# Altium PCB OTPCB.PcbDoc (part 1 of 3) (continued)
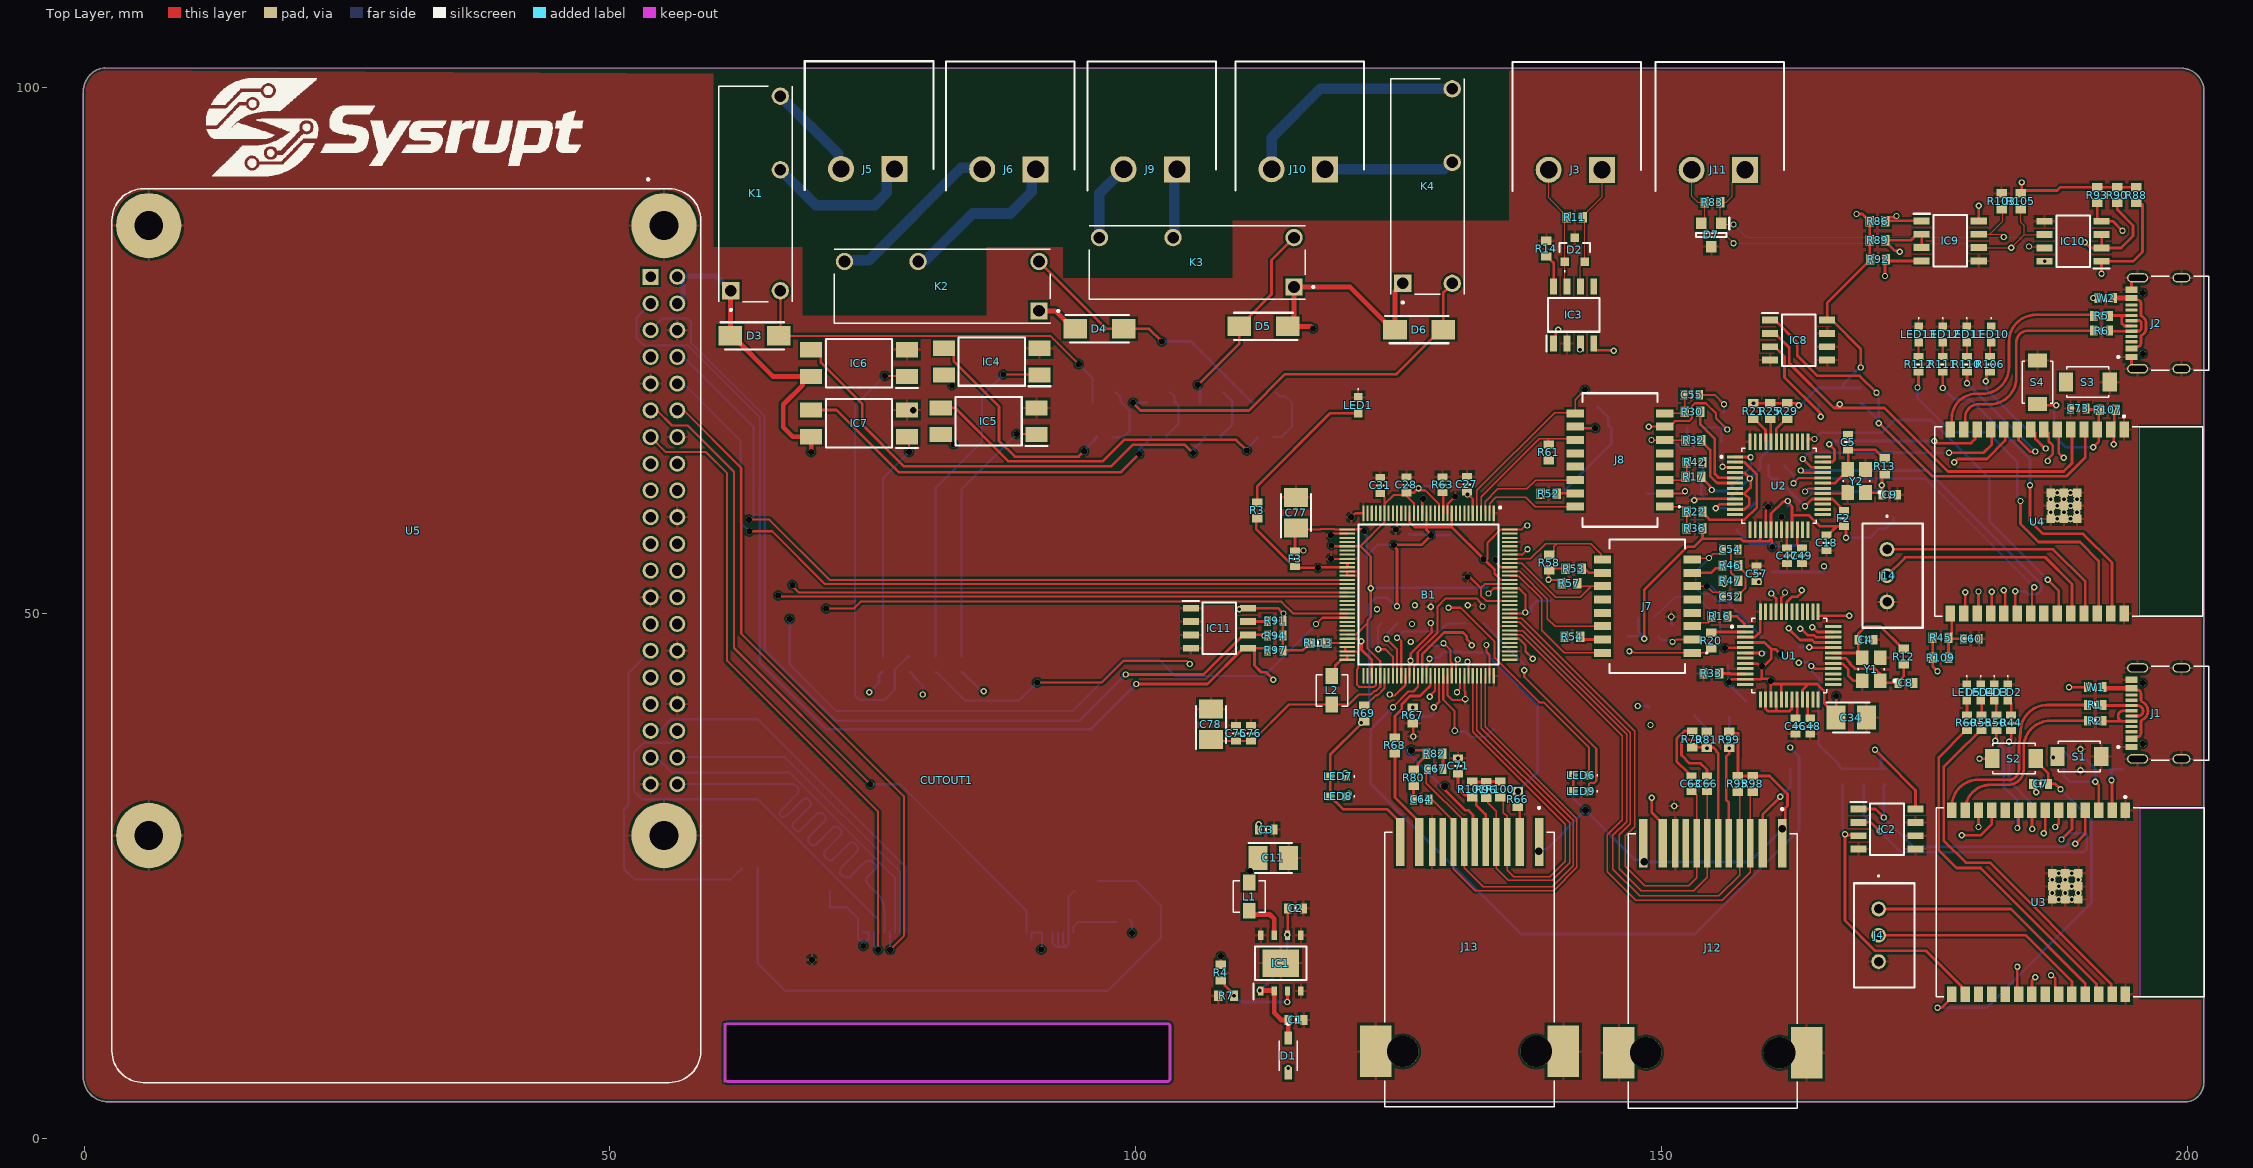
[diagram p0: Top Layer view]
## Components (designator, comment, footprint, x,y, rotation, side; value= is the part's Value field where it differs from the comment)
* "AFC07-S50ECA-00" AFC07-S50ECA-00 81.86,18.555 r180 bottom
B1 "RTL8367S-CG" QFP40P1600X1600X160-128N 127.866,51.766 r270 top
C1 "10uF" CAPC1608X90N 115.254,11.316 r180 top
C2 "4.7uF" CAPC1608X90N 115.214,21.916 r180 top
C3 "Capacitor .1µF +/-20% 10V 0603" CAPC1608X90N 112.414,29.416 r0 top value=".01 µF"
C4 "Capacitor 18pF +/-20% 10V 0603" CAPC1608X90N 169.466,47.466 r180 top value=18pF
C5 "Capacitor 18pF +/-20% 10V 0603" CAPC1608X90N 167.766,66.266 r270 top value=18pF
C6 "Capacitor .1µF +/-20% 10V 0603" CAPC1608X90N 189.026,36.966 r180 bottom value=.1µF
C7 "Capacitor .1µF +/-20% 10V 0603" CAPC1608X90N 186.066,33.766 r0 top value=.1µF
C8 "Capacitor 18pF +/-20% 10V 0603" CAPC1608X90N 173.266,43.366 r180 top value=18pF
C9 "Capacitor 18pF +/-20% 10V 0603" CAPC1608X90N 171.726,61.266 r180 top value=18pF
C10 "Capacitor .1µF +/-20% 10V 0603" CAPC1608X90N 194.666,35.166 r180 bottom value=".1 µF"
C11 "22uF, tantalum" CAPPM3528X210N 113.114,26.716 r0 top
C12 "22uF, tantalum" CAPPM3528X210N 170.666,59.066 r180 bottom
C13 "Capacitor .1µF +/-20% 10V 0603" CAPC1608X90N 158.141,40.891 r270 bottom value=".1 µF"
C14 "Capacitor .1µF +/-20% 10V 0603" CAPC1608X90N 161.366,46.841 r90 bottom value=".1 µF"
C15 "Capacitor .1µF +/-20% 10V 0603" CAPC1608X90N 167.391,42.116 r0 bottom value=".1 µF"
C16 "Capacitor .1µF +/-20% 10V 0603" CAPC1608X90N 160.591,55.841 r270 bottom value=".1 µF"
C17 "Capacitor .1µF +/-20% 10V 0603" CAPC1608X90N 159.241,55.891 r270 bottom value=".1 µF"
C18 "Capacitor .1µF +/-20% 10V 0603" CAPC1608X90N 165.716,56.691 r270 top value=".1 µF"
C19 "Capacitor .1µF +/-20% 10V 0603" CAPC1608X90N 159.436,66.296 r180 bottom value=".1 µF"
C20 "Capacitor .1µF +/-20% 10V 0603" CAPC1608X90N 162.516,55.691 r270 bottom value=".1 µF"
C21 "Capacitor .1µF +/-20% 10V 0603" CAPC1608X90N 164.516,56.341 r0 bottom value=".1 µF"
C22 "Capacitor .1µF +/-20% 10V 0603" CAPC1608X90N 156.466,57.941 r180 bottom value=".1 µF"
C23 "Capacitor .1µF +/-20% 10V 0603" CAPC1608X90N 155.616,43.591 r180 bottom value=".1 µF"
C24 "Capacitor .1µF +/-20% 10V 0603" CAPC1608X90N 155.641,45.091 r180 bottom value=".1 µF"
C25 "Capacitor .1µF +/-20% 10V 0603" CAPC1608X90N 160.566,44.841 r0 bottom value=".1 µF"
C26 "Capacitor .1µF +/-20% 10V 0603" CAPC1608X90N 161.216,43.441 r0 bottom value=".1 µF"
C27 "Capacitor .1µF +/-20% 10V 0603" CAPC1608X90N 131.516,62.241 r90 top value=".1 µF"
C28 "Capacitor .1µF +/-20% 10V 0603" CAPC1608X90N 125.766,62.191 r90 top value=".1 µF"
C29 "Capacitor .1µF +/-20% 10V 0603" CAPC1608X90N 133.466,53.226 r90 bottom value=".1 µF"
C30 "Capacitor .1µF +/-20% 10V 0603" CAPC1608X90N 137.266,49.316 r270 bottom value=".1 µF"
C31 "Capacitor .1µF +/-20% 10V 0603" CAPC1608X90N 123.266,62.141 r90 top value=".1 µF"
C32 "Capacitor .1µF +/-20% 10V 0603" CAPC1608X90N 117.841,56.391 r180 bottom value=".1 µF"
C33 "Capacitor .1µF +/-20% 10V 0603" CAPC1608X90N 138.016,56.216 r0 bottom value=".1 µF"
C34 "22uF, tantalum" CAPPM3528X210N 168.066,40.066 r0 top
C35 "22uF, tantalum" CAPPM3528X210N 140.866,51.166 r0 bottom
C36 "22uF, tantalum" CAPPM3528X210N 163.466,41.066 r180 bottom
C37 "Capacitor .1µF +/-20% 10V 0603" CAPC1608X90N 160.266,62.266 r270 bottom value=".1 µF"
C38 "Capacitor .1µF +/-20% 10V 0603" CAPC1608X90N 164.266,43.666 r180 bottom value=".1 µF"
C39 "Capacitor .1µF +/-20% 10V 0603" CAPC1608X90N 122.716,55.316 r0 bottom value=".1 µF"
C40 "Capacitor .1µF +/-20% 10V 0603" CAPC1608X90N 126.016,56.816 r270 bottom value=".1 µF"
C41 "Capacitor .1µF +/-20% 10V 0603" CAPC1608X90N 128.091,56.666 r270 bottom value=".1 µF"
C42 "Capacitor .1µF +/-20% 10V 0603" CAPC1608X90N 129.891,56.666 r270 bottom value=".1 µF"
C43 "Capacitor .1µF +/-20% 10V 0603" CAPC1608X90N 122.491,57.691 r0 bottom value=".1 µF"
C44 "Capacitor .1µF +/-20% 10V 0603" CAPC1608X90N 133.041,55.866 r90 bottom value=".1 µF"
C45 "Capacitor .1µF +/-20% 10V 0603" CAPC1608X90N 137.141,59.191 r90 bottom value=".1 µF"
C46 "Capacitor 4.7µF +/-20% 10V 0603" CAPC1608X90N 162.766,39.266 r270 top value="4.7 µF"
C47 "Capacitor 4.7µF +/-20% 10V 0603" CAPC1608X90N 161.966,55.466 r270 top value="4.7 µF"
C48 "Capacitor .1µF +/-20% 10V 0603" CAPC1608X90N 164.166,39.266 r270 top value=".01 µF"
C49 "Capacitor .1µF +/-20% 10V 0603" CAPC1608X90N 163.366,55.466 r270 top value=".01 µF"
C50 "Capacitor 22nF +/-20% 10V 0603" CAPC1608X90N 151.066,48.166 r90 bottom value=22nF
C51 "Capacitor 22nF +/-20% 10V 0603" CAPC1608X90N 147.866,61.366 r180 bottom value=22nF
C52 "Capacitor 6.8nF +/-20% 10V 0603" CAPC1608X90N 156.566,51.566 r180 top value=6.8nF
C53 "Capacitor 6.8nF +/-20% 10V 0603" CAPC1608X90N 153.166,66.266 r0 bottom value=6.8nF
C54 "Capacitor 6.8nF +/-20% 10V 0603" CAPC1608X90N 156.566,56.066 r180 top value=6.8nF
C55 "Capacitor 6.8nF +/-20% 10V 0603" CAPC1608X90N 152.906,70.766 r180 top value=6.8nF
C56 "Capacitor .1µF +/-20% 10V 0603" CAPC1608X90N 156.466,66.266 r0 bottom value=10nF
C57 "Capacitor .1µF +/-20% 10V 0603" CAPC1608X90N 159.066,53.766 r90 top value=10nF
C58 "Capacitor 4.7µF +/-20% 10V 0603" CAPC1608X90N 188.966,35.166 r180 bottom value=4.7µF
C59 "Capacitor 22pF +/-20% 10V 0603" CAPC1608X90N 134.15,39.7 r90 bottom value=22pF
C60 "Capacitor .1µF +/-20% 10V 0603" CAPC1608X90N 179.466,47.566 r180 top value=.1µF
C61 "Capacitor 22pF +/-20% 10V 0603" CAPC1608X90N 125.265,39.65 r180 bottom value=22pF
C62 "Capacitor .1µF +/-20% 10V 0603" CAPC1608X90N 193.466,69.466 r180 bottom value=".1 µF"
C63 "Capacitor 6.8nF +/-20% 10V 0603" CAPC1608X90N 152.866,33.766 r270 top value=6.8nF
C64 "Capacitor 6.8nF +/-20% 10V 0603" CAPC1608X90N 127.166,32.291 r0 top value=6.8nF
C65 "Capacitor .1µF +/-20% 10V 0603" CAPC1608X90N 190.926,69.466 r0 bottom value=.1µF
C66 "Capacitor 6.8nF +/-20% 10V 0603" CAPC1608X90N 154.341,33.791 r270 top value=6.8nF
C67 "Capacitor 6.8nF +/-20% 10V 0603" CAPC1608X90N 128.491,35.191 r180 top value=6.8nF
C68 "Capacitor .1µF +/-20% 10V 0603" CAPC1608X90N 153.166,40.966 r90 bottom value=10nF
C69 "Capacitor .1µF +/-20% 10V 0603" CAPC1608X90N 125.066,36.966 r180 bottom value=10nF
C70 "Capacitor 22nF +/-20% 10V 0603" CAPC1608X90N 156.466,40.866 r90 bottom value=22nF
C71 "Capacitor 22nF +/-20% 10V 0603" CAPC1608X90N 130.666,35.466 r90 top value=22nF
C72 "Capacitor .1µF +/-20% 10V 0603" CAPC1608X90N 129.966,47.366 r0 bottom value=".1 µF"
C73 "Capacitor 4.7µF +/-20% 10V 0603" CAPC1608X90N 189.666,69.466 r0 top value=4.7µF
C74 "22uF, tantalum" CAPPM3528X210N 165.666,52.816 r270 bottom
C75 "Capacitor .1µF +/-20% 10V 0603" CAPC1608X90N 109.566,38.566 r90 top value=".1 µF"
C76 "Capacitor .1µF +/-20% 10V 0603" CAPC1608X90N 110.966,38.566 r90 top value=".01 µF"
C77 "22uF, tantalum" CAPPM3528X210N 115.266,59.566 r90 top
C78 "22uF, tantalum" CAPPM3528X210N 107.166,39.416 r90 top
C79 "Capacitor 10µF +/-20% 10V 0603" CAPC1608X90N 70.23,23.52 r180 bottom value="10 µF"
C80 "Capacitor .1µF +/-20% 10V 0603" CAPC1608X90N 70.16,22.03 r180 bottom value=".1 µF"
CUTOUT1 "DISPLAY CUTOUT" display 82.03,34.11 r270 top
D1 "1N5819HW-7-F" SOD3715X145N 114.514,7.916 r270 top
D2 "SM24CANB-02HTG" SM24CANB02HTG 141.766,84.566 r0 top
D3 "M7" DIOM5626X245N 63.766,76.366 r0 top
D4 "M7" DIOM5626X245N 96.566,77.041 r0 top
D5 "M7" DIOM5626X245N 112.166,77.266 r180 top
D6 "M7" DIOM5626X245N 126.966,76.966 r0 top
D7 "SM712" SOT95P240X115-3N 154.766,85.966 r270 top
F1 "3A/50mo" CAPC1608X90N 162.766,60.166 r180 bottom
F2 "3A/50mo" CAPC1608X90N 167.366,59.006 r270 top
F3 "3A/50mo" CAPC1608X90N 115.166,55.166 r90 top
IC1 "ST1S10PHR" ST1S10PHR 113.814,16.716 r90 top
IC2 "" SOIC127P600X175-8N 171.466,29.466 r0 top
IC3 "SN65HVD230DR" SOIC127P600X175-8N 141.666,78.366 r90 top
IC4 "LTV-817S" SOP254P1016X460-4N 86.325,73.925 r180 top
IC5 "LTV-817S" SOP254P1016X460-4N 86.025,68.25 r180 top
IC6 "LTV-817S" SOP254P1016X460-4N 73.7,73.775 r180 top
IC7 "LTV-817S" SOP254P1016X460-4N 73.7,68.05 r180 top
IC8 "" SOIC127P600X175-8N 163.066,75.966 r0 top
IC9 "MAX3485CSA+" SOIC127P600X175-8N 177.478,85.401 r0 top
IC10 "MAX3485CSA+" SOIC127P600X175-8N 189.166,85.366 r180 top
IC11 "AT24C02C-SSHM-T" SOIC127P600X175-8N 107.966,48.566 r0 top
J1 "TYPE-C-31-M-12" HRO_TYPE-C-31-M-12 199.466,40.466 r90 top
J2 "TYPE-C-31-M-12" HRO_TYPE-C-31-M-12 199.466,77.566 r90 top
J3 "796638-2" SHDRRA2W102P0X508_1X2_1198X1200X850P 144.366,92.166 r0 top
J4 "B3B-XH-A_LF__SN_" B3BXHALFSN 170.666,21.866 r270 top
J5 "" SHDRRA2W102P0X508_1X2_1198X1200X850P 77.071,92.241 r0 top
J6 "" SHDRRA2W102P0X508_1X2_1198X1200X850P 90.496,92.216 r0 top
J7 "LP2019ANL" LP2019ANL 148.666,50.666 r90 top
J8 "LP2019ANL" LP2019ANL 146.066,64.566 r90 top
J9 "796638-2" SHDRRA2W102P0X508_1X2_1198X1200X850P 103.946,92.216 r0 top
J10 "" SHDRRA2W102P0X508_1X2_1198X1200X850P 118.016,92.216 r0 top
J11 "796638-2" SHDRRA2W102P0X508_1X2_1198X1200X850P 157.966,92.166 r0 top
J12 "HR961160C" HANRUN_HR961160C 154.891,15.966 r180 top
J13 "HR961160C" HANRUN_HR961160C 131.766,16.091 r180 top
J14 "B3B-XH-A_LF__SN_" B3BXHALFSN 171.466,56.066 r270 top
K1 "HF46F_005-HS1" RELAY_HF46F_005-HS1 63.866,89.866 r90 top
K2 "HF46F_005-HS1" RELAY_HF46F_005-HS1 81.616,81.091 r180 top
K3 "HF46F_005-HS1" RELAY_HF46F_005-HS1 105.866,83.366 r180 top
K4 "HF46F_005-HS1" RELAY_HF46F_005-HS1 127.766,90.566 r90 top
L1 "2.2uH" IND_IHLP1212BZER2R2M11 110.814,23.041 r90 top
L2 "2.2uH" IND_IHLP1212BZER2R2M11 118.666,42.666 r270 top
LED1 "19-213_G6C-AN1P2B_3T" 19213G6CAN1P2B3T 121.166,69.766 r270 top
LED2 "19-213_G6C-AN1P2B_3T" 19213G6CAN1P2B3T 182.966,42.466 r270 top
LED3 "19-213_G6C-AN1P2B_3T" 19213G6CAN1P2B3T 181.666,42.466 r270 top
LED4 "19-213_G6C-AN1P2B_3T" 19213G6CAN1P2B3T 180.366,42.466 r270 top
LED5 "19-213_G6C-AN1P2B_3T" 19213G6CAN1P2B3T 179.066,42.466 r270 top
LED6 "19-213_G6C-AN1P2B_3T" 19213G6CAN1P2B3T 142.366,34.566 r180 top
LED7 "19-213_G6C-AN1P2B_3T" 19213G6CAN1P2B3T 119.266,34.466 r180 top
LED8 "19-213_G6C-AN1P2B_3T" 19213G6CAN1P2B3T 119.266,32.566 r180 top
LED9 "19-213_G6C-AN1P2B_3T" 19213G6CAN1P2B3T 142.366,33.066 r180 top
LED10 "19-213_G6C-AN1P2B_3T" 19213G6CAN1P2B3T 181.366,76.516 r270 top
LED11 "19-213_G6C-AN1P2B_3T" 19213G6CAN1P2B3T 179.066,76.516 r270 top
LED12 "19-213_G6C-AN1P2B_3T" 19213G6CAN1P2B3T 176.766,76.516 r270 top
LED13 "19-213_G6C-AN1P2B_3T" 19213G6CAN1P2B3T 174.466,76.516 r270 top
Q1 "MMBT2222A-G" SOT95P240X115-3N 97,70.025 r180 bottom
Q2 "MMBT2222A-G" SOT95P240X115-3N 112.225,70.05 r180 bottom
Q3 "MMBT2222A-G" SOT95P240X115-3N 107.225,70.025 r180 bottom
Q4 "MMBT2222A-G" SOT95P240X115-3N 102.15,70.05 r180 bottom
Q5 "MMBT2222A-G" SOT95P240X115-3N 95.32,23.59 r180 bottom
R1 "Resistor 10 +/-1% 0603 100 mW" CAPC1608X90N 191.266,41.266 r0 top value=10R
R2 "Resistor 10 +/-1% 0603 100 mW" CAPC1608X90N 191.266,39.766 r0 top value=10R
R3 "Resistor 820 +/-1% 0603 100 mW" RESC1608X55X25ML10T15 111.566,59.766 r90 top value=820R
R4 "Resistor 270k +/-1% 0603 100 mW" RESC1608X55X25ML10T15 108.114,15.816 r270 top value=470k
R5 "Resistor 10 +/-1% 0603 100 mW" CAPC1608X90N 191.866,78.266 r0 top value=10R
R6 "Resistor 10 +/-1% 0603 100 mW" CAPC1608X90N 191.866,76.866 r0 top value=10R
R7 "Resistor 86k +/-1% 0603 100 mW" RESC1608X55X25ML10T15 108.614,13.616 r180 top value=150k
R8 "Resistor 4.7k +/-1% 0603 100 mW" RESC1608X55X25ML10T15 171.266,34.466 r270 bottom value=4.7k
R9 "Resistor 4.7k +/-1% 0603 100 mW" RESC1608X55X25ML10T15 169.266,34.466 r270 bottom value=4.7k
R10 "Resistor 4.7k +/-1% 0603 100 mW" RESC1608X55X25ML10T15 167.266,34.466 r270 bottom value=4.7k
R11 "Resistor 120 +/-1% 0603 100 mW" RESC1608X55X25ML10T15 141.766,87.666 r180 top value=120R
R12 "Resistor 1M +/-1% 0603 100 mW" RESC1608X55X25ML10T15 173.066,45.866 r270 top value=1M
R13 "Resistor 1M +/-1% 0603 100 mW" RESC1608X55X25ML10T15 171.266,63.966 r270 top value=1M
R14 "Resistor 0R +/-1% 0603 100 mW" RESC1608X55X25ML10T15 139.066,84.666 r90 top value=0R
R15 "Resistor 4.7k +/-1% 0603 100 mW" RESC1608X55X25ML10T15 163.166,46.066 r270 bottom value=4.7k
R16 "Resistor 0R +/-1% 0603 100 mW" RESC1608X55X25ML10T15 155.541,49.691 r0 top value=0R
R17 "Resistor 0R +/-1% 0603 100 mW" RESC1608X55X25ML10T15 153.066,62.991 r0 top value=0R
R18 "Resistor 4.7k +/-1% 0603 100 mW" RESC1608X55X25ML10T15 160.566,53.166 r90 bottom value=4.7k
R19 "Resistor 4.7k +/-1% 0603 100 mW" RESC1608X55X25ML10T15 161.241,64.316 r180 bottom value=4.7k
R20 "Resistor 0R +/-1% 0603 100 mW" RESC1608X55X25ML10T15 154.741,47.391 r90 top value=0R
R21 "Resistor 4.7k +/-1% 0603 100 mW" RESC1608X55X25ML10T15 158.766,69.216 r90 top value=4.7k
R22 "Resistor 0R +/-1% 0603 100 mW" RESC1608X55X25ML10T15 153.166,59.666 r0 top value=0R
R23 "Resistor 4.7k +/-1% 0603 100 mW" RESC1608X55X25ML10T15 161.966,53.166 r90 bottom value=4.7k
R24 "Resistor 220 +/-1% 0603 100 mW" RESC1608X55X25ML10T15 80.98,45.13 r270 bottom value=220R
R25 "Resistor 4.7k +/-1% 0603 100 mW" RESC1608X55X25ML10T15 160.366,69.216 r90 top value=4.7k
R26 "Resistor 4.7k +/-1% 0603 100 mW" RESC1608X55X25ML10T15 163.366,53.166 r90 bottom value=4.7k
R27 "Resistor 10k +/-1% 0603 100 mW" RESC1608X55X25ML10T15 97.05,66.775 r180 bottom value=10k
R28 "Resistor 0R +/-1% 0603 100 mW" RESC1608X55X25ML10T15 156.041,47.391 r270 bottom value=0R
R29 "Resistor 4.7k +/-1% 0603 100 mW" RESC1608X55X25ML10T15 161.966,69.216 r90 top value=4.7k
R30 "Resistor 0R +/-1% 0603 100 mW" RESC1608X55X25ML10T15 152.966,69.166 r0 top value=0R
R31 "Resistor 0R +/-1% 0603 100 mW" RESC1608X55X25ML10T15 159.816,47.216 r270 bottom value=0R
R32 "Resistor 0R +/-1% 0603 100 mW" RESC1608X55X25ML10T15 153.066,66.466 r0 top value=0R
R33 "Resistor 12k +/-1% 0603 100 mW" RESC1608X55X25ML10T15 154.766,44.266 r180 top value=12k
R34 "Resistor 12k +/-1% 0603 100 mW" RESC1608X55X25ML10T15 159.566,60.466 r0 bottom value=12k
R35 "Resistor 49.9+/-1% 0603 100 mW" RESC1608X55X25ML10T15 146.866,47.066 r270 bottom value=49.9R/1%
R36 "Resistor 49.9+/-1% 0603 100 mW" RESC1608X55X25ML10T15 153.166,58.066 r180 top value=49.9R/1%
R37 "Resistor 220 +/-1% 0603 100 mW" RESC1608X55X25ML10T15 83.46,45.13 r270 bottom value=220R
R38 "Resistor 10 +/-1% 0603 100 mW" RESC1608X55X25ML10T15 148.966,47.766 r0 bottom value=10R/1%
R39 "Resistor 10 +/-1% 0603 100 mW" RESC1608X55X25ML10T15 152.991,61.891 r180 bottom value=10R/1%
R40 "Resistor 10k +/-1% 0603 100 mW" RESC1608X55X25ML10T15 112.35,66.75 r180 bottom value=10k
R41 "Resistor 49.9+/-1% 0603 100 mW" RESC1608X55X25ML10T15 148.566,49.566 r0 bottom value=49.9R/1%
R42 "Resistor 49.9+/-1% 0603 100 mW" RESC1608X55X25ML10T15 153.166,64.366 r180 top value=49.9R/1%
R43 "Resistor 10k +/-1% 0603 100 mW" RESC1608X55X25ML10T15 191.966,35.166 r180 bottom value=10k
R44 "Resistor 300 +/-1% 0603 100 mW" CAPC1608X90N 183.266,39.566 r90 top value=300
R45 "Resistor 10k +/-1% 0603 100 mW" RESC1608X55X25ML10T15 176.566,47.666 r0 top value=10k
R46 "Resistor 82 +/-1% 0603 100 mW" RESC1608X55X25ML10T15 156.566,54.566 r0 top value=82R/1%
R47 "Resistor 82 +/-1% 0603 100 mW" RESC1608X55X25ML10T15 156.566,53.066 r0 top value=82R/1%
R48 "Resistor 82 +/-1% 0603 100 mW" RESC1608X55X25ML10T15 153.216,67.666 r180 bottom value=82R/1%
R49 "Resistor 82 +/-1% 0603 100 mW" RESC1608X55X25ML10T15 155.866,68.316 r90 bottom value=82R/1%
R50 "Resistor 300 +/-1% 0603 100 mW" CAPC1608X90N 181.866,39.566 r90 top value=300
R51 "Resistor 75 +/-1% 0603 100 mW" RESC1608X55X25ML10T15 144.491,67.591 r180 bottom value=75R
R52 "Resistor 75 +/-1% 0603 100 mW" RESC1608X55X25ML10T15 139.291,61.366 r0 top value=75R
R53 "Resistor 75 +/-1% 0603 100 mW" RESC1608X55X25ML10T15 141.666,54.241 r0 top value=75R
R54 "Resistor 75 +/-1% 0603 100 mW" RESC1608X55X25ML10T15 141.541,47.741 r0 top value=75R
R55 "Resistor 300 +/-1% 0603 100 mW" CAPC1608X90N 180.466,39.566 r90 top value=300
R56 "Resistor 220 +/-1% 0603 100 mW" RESC1608X55X25ML10T15 78.475,45.15 r270 bottom value=220R
R57 "Resistor 150 +/-1% 0603 100 mW" RESC1608X55X25ML10T15 141.266,52.866 r0 top value=150R/1%
R58 "Resistor 150 +/-1% 0603 100 mW" RESC1608X55X25ML10T15 139.341,54.816 r270 top value=150R/1%
R59 "Resistor 10k +/-1% 0603 100 mW" RESC1608X55X25ML10T15 107.35,66.75 r180 bottom value=10k
R60 "Resistor 300 +/-1% 0603 100 mW" CAPC1608X90N 179.066,39.566 r90 top value=300
R61 "Resistor 150 +/-1% 0603 100 mW" RESC1608X55X25ML10T15 139.316,65.291 r90 top value=150R/1%
R62 "Resistor 150 +/-1% 0603 100 mW" RESC1608X55X25ML10T15 143.916,70.316 r270 bottom value=150R/1%
R63 "Resistor 300 +/-1% 0603 100 mW" CAPC1608X90N 129.191,62.216 r270 top value=2.49k
R64 "Resistor 220 +/-1% 0603 100 mW" RESC1608X55X25ML10T15 75.975,45.15 r270 bottom value=220R
R65 "Resistor 10k +/-1% 0603 100 mW" RESC1608X55X25ML10T15 102.2,66.775 r180 bottom value=10k
R66 "Resistor 470 +/-1% 0603 100 mW" RESC1608X55X25ML10T15 136.366,32.316 r90 top value=470R
R67 "Resistor 4.7k +/-1% 0603 100 mW" RESC1608X55X25ML10T15 126.375,40.275 r90 top value=4.7k
R68 "Resistor 470 +/-1% 0603 100 mW" RESC1608X55X25ML10T15 124.666,37.416 r90 top value=470R
R69 "Resistor 4.7k +/-1% 0603 100 mW" RESC1608X55X25ML10T15 121.766,40.466 r90 top value=4.7k
R70 "Resistor 4.7k +/-1% 0603 100 mW" RESC1608X55X25ML10T15 131.366,49.766 r270 bottom value=4.7k
R71 "Resistor 470 +/-1% 0603 100 mW" RESC1608X55X25ML10T15 129.766,49.766 r270 bottom value=470R
R72 "Resistor 470 +/-1% 0603 100 mW" RESC1608X55X25ML10T15 126.566,49.766 r90 bottom value=470R
R73 "Resistor 4.7k +/-1% 0603 100 mW" RESC1608X55X25ML10T15 128.066,49.866 r270 bottom value=4.7k
R74 "Resistor 470 +/-1% 0603 100 mW" RESC1608X55X25ML10T15 133.066,49.766 r90 bottom value=470R
R75 "Resistor 470 +/-1% 0603 100 mW" RESC1608X55X25ML10T15 162.266,35.916 r90 bottom value=470R
R76 "Resistor 470 +/-1% 0603 100 mW" RESC1608X55X25ML10T15 148.866,40.266 r90 bottom value=470R
R77 "Resistor 470 +/-1% 0603 100 mW" RESC1608X55X25ML10T15 123.366,49.766 r270 bottom value=470R
R78 "Resistor 4.7k +/-1% 0603 100 mW" RESC1608X55X25ML10T15 124.966,49.766 r270 bottom value=4.7k
R79 "Resistor 82 +/-1% 0603 100 mW" RESC1608X55X25ML10T15 152.941,37.991 r90 top value=82R/1%
R80 "Resistor 82 +/-1% 0603 100 mW" RESC1608X55X25ML10T15 126.466,34.341 r270 top value=82R/1%
R81 "Resistor 82 +/-1% 0603 100 mW" RESC1608X55X25ML10T15 154.341,37.966 r90 top value=82R/1%
R82 "Resistor 82 +/-1% 0603 100 mW" RESC1608X55X25ML10T15 128.416,36.616 r0 top value=82R/1%
R83 "jc" RESC1608X55X25ML10T15 154.866,89.066 r180 top value=120R
R84 "Resistor 10k +/-1% 0603 100 mW" RESC1608X55X25ML10T15 168.966,70.666 r270 bottom value=10k
R85 "Resistor 10k +/-1% 0603 100 mW" RESC1608X55X25ML10T15 166.966,70.666 r270 bottom value=10k
R86 "Resistor 10k +/-1% 0603 100 mW" RESC1608X55X25ML10T15 170.566,87.266 r0 top value=10k
R87 "Resistor 10k +/-1% 0603 100 mW" RESC1608X55X25ML10T15 164.966,70.666 r270 bottom value=10k
R88 "Resistor 10k +/-1% 0603 100 mW" RESC1608X55X25ML10T15 195.166,89.766 r270 top value=10k
R89 "Resistor 10k +/-1% 0603 100 mW" RESC1608X55X25ML10T15 170.566,85.466 r0 top value=10k
R90 "Resistor 10k +/-1% 0603 100 mW" RESC1608X55X25ML10T15 193.366,89.766 r270 top value=10k
R91 "Resistor 1.5k +/-1% 0603 100 mW" CAPC1608X90N 113.266,49.266 r0 top value=1.5k
R92 "Resistor 10k +/-1% 0603 100 mW" RESC1608X55X25ML10T15 170.616,83.666 r0 top value=10k
R93 "Resistor 10k +/-1% 0603 100 mW" RESC1608X55X25ML10T15 191.466,89.766 r270 top value=10k
R94 "Resistor 1.5k +/-1% 0603 100 mW" CAPC1608X90N 113.266,47.866 r0 top value=1.5k
R95 "Resistor 49.9+/-1% 0603 100 mW" RESC1608X55X25ML10T15 157.291,33.766 r270 top value=49.9R/1%
R96 "Resistor 49.9+/-1% 0603 100 mW" RESC1608X55X25ML10T15 133.341,33.191 r270 top value=49.9R/1%
R97 "Resistor 1.5k +/-1% 0603 100 mW" CAPC1608X90N 113.266,46.466 r0 top value=1.5k
R98 "Resistor 49.9+/-1% 0603 100 mW" RESC1608X55X25ML10T15 158.691,33.766 r90 top value=49.9R/1%
R99 "Resistor 10 +/-1% 0603 100 mW" RESC1608X55X25ML10T15 156.466,37.966 r270 top value=10R/1%
R100 "Resistor 49.9+/-1% 0603 100 mW" RESC1608X55X25ML10T15 134.691,33.241 r90 top value=49.9R/1%
R101 "Resistor 10 +/-1% 0603 100 mW" RESC1608X55X25ML10T15 132.016,33.241 r270 top value=10R/1%
R102 "Resistor 20 +/-1% 0603 100 mW" RESC1608X55X25ML10T15 98.91,20.62 r0 bottom value=20R
R103 "Resistor 20k +/-1% 0603 100 mW" RESC1608X55X25ML10T15 182.366,89.166 r90 top value=20k
R104 "Resistor 470 +/-1% 0603 100 mW" RESC1608X55X25ML10T15 63.32,25.77 r180 bottom value=470R
R105 "Resistor 20k +/-1% 0603 100 mW" RESC1608X55X25ML10T15 184.166,89.166 r90 top value=20k
R106 "Resistor 300 +/-1% 0603 100 mW" CAPC1608X90N 181.266,73.666 r90 top value=300
R107 "Resistor 10k +/-1% 0603 100 mW" RESC1608X55X25ML10T15 192.466,69.366 r180 top value=10k
R108 "Resistor 100K +/-1% 0603 100 mW" RESC1608X55X25ML10T15 127.066,46.866 r0 bottom value=100k
R109 "Resistor 10k +/-1% 0603 100 mW" RESC1608X55X25ML10T15 176.566,45.766 r0 top value=10k
R110 "Resistor 300 +/-1% 0603 100 mW" CAPC1608X90N 179.066,73.666 r90 top value=300
R111 "Resistor 300 +/-1% 0603 100 mW" CAPC1608X90N 176.766,73.666 r90 top value=300
R112 "Resistor 300 +/-1% 0603 100 mW" CAPC1608X90N 174.466,73.666 r90 top value=300
R113 "1K. 0603" RESC1608X55N 117.366,47.166 r0 top
S1 "TS-1088-AR02016" SW_TS-1088-AR02016 189.766,36.366 r0 top
S2 "TS-1088-AR02016" SW_TS-1088-AR02016 183.541,36.166 r180 top
S3 "TS-1088-AR02016" SW_TS-1088-AR02016 190.566,71.966 r0 top
S4 "TS-1088-AR02016" SW_TS-1088-AR02016 185.766,71.966 r90 top
U1 "W5500" QFP50P900X900X160-48N 162.166,45.966 r0 top
U2 "W5500" QFP50P900X900X160-48N 161.186,62.116 r0 top
U3 "ESP32-C6 module, Wi-Fi 6 in 2.4 GHz band, Bluetooth 5, Zigbee 3.0 and Thread. ESP34-WROOM Compatible - ENGINEERING SAMPLE" XCVR_ESP32-C6-WROOM-1-N8 188.876,22.511 r270 top
U4 "ESP32-C6 module, Wi-Fi 6 in 2.4 GHz band, Bluetooth 5, Zigbee 3.0 and Thread. ESP34-WROOM Compatible - ENGINEERING SAMPLE" XCVR_ESP32-C6-WROOM-1-N8 188.749,58.711 r270 top
U5 "SC0195(9)" MODULE_SC0195(9) 30.647,47.86 r270 top
W1 "5110" CAPC1608X90N 191.266,42.966 r0 top
W2 "5110" CAPC1608X90N 192.266,79.966 r0 top
Y1 "7M25000014" XTAL_7M25000014 169.966,44.666 r180 top
Y2 "7M25000014" XTAL_7M25000014 168.566,62.566 r180 top
Y3 "ABM3B-25.000MHZ-22-E4H-T" XTAL_ABM3B-25.000MHZ-22-E4H-T 129.875,39.425 r270 bottom

## Footprints (in the part's own frame and the unit in brackets; to place one, negate y for a bottom-side part, rotate by r counter-clockwise, add the part's x,y. Pads: shape width x height; smd on the part's side, far side on the other; paste and mask are expansions set on the pad)
19213G6CAN1P2B3T [mm]
  rect 0.8x0.8 smd: 1(-0.75,0) 2(0.75,0)
  silkscreen extent -1.6,-0.05 -1.5,0.05, body extent -0.8,-0.4 0.8,0.4, height 0.7
AFC07-S50ECA-00 [mm]
  rect 0.3x1.5 smd: 1(-12.248,1.086) 2(-11.75,1.085) 3(-11.25,1.085) 4(-10.75,1.085) 5(-10.25,1.085) 6(-9.75,1.085) 7(-9.25,1.085) 8(-8.75,1.085) 9(-8.25,1.085) 10(-7.75,1.085) 11(-7.25,1.085) 12(-6.75,1.085) 13(-6.25,1.085) 14(-5.75,1.085) 15(-5.25,1.085) 16(-4.75,1.085) 17(-4.25,1.085) 18(-3.75,1.085) 19(-3.25,1.085) 20(-2.75,1.085) 21(-2.25,1.085) 22(-1.75,1.085) 23(-1.25,1.085) 24(-0.75,1.085) 25(-0.25,1.085) 26(0.25,1.085) 27(0.75,1.085) 28(1.25,1.085) 29(1.75,1.085) 30(2.25,1.085) 31(2.75,1.085) 32(3.25,1.085) 33(3.75,1.085) 34(4.25,1.085) 35(4.75,1.085) 36(5.25,1.085) 37(5.75,1.085) 38(6.25,1.085) 39(6.75,1.085) 40(7.25,1.085) 41(7.752,1.086) 42(8.25,1.084) 43(8.75,1.085) 44(9.25,1.085) 45(9.75,1.085) 46(10.251,1.085) 47(10.751,1.085) 48(11.25,1.085) 49(11.75,1.085) 50(12.249,1.085)
  rect 2.2x3.3 smd: 51(13.85,-1.086) 52(-13.85,-1.086)
  silkscreen extent -15.3,-5.04 15.2,1.46
B3BXHALFSN [mm]
  round 1.4 hole 0.9: 1(0,0) 2(2.5,0) 3(5,0)
  silkscreen extent -3.2,-2.35 7.45,3.4, body extent -2.45,-2.35 7.45,3.4, height 7.09
CAPC1608X90N [mm]
  rect 0.67x0.94 smd: 1(-0.74,0) 2(0.74,0)
  silkscreen extent 0,-0.3 0,0.3, body extent -0.8,-0.4 0.8,0.4, height 0.9
CAPPM3528X210N [mm]
  rect 1.8x2.3 smd: 1(-1.45,0) 2(1.45,0)
  silkscreen extent -2.35,-1.43 1.75,1.43, body extent -1.75,-1.43 1.75,1.43, height 2.1
DIOM5626X245N [mm]
  rect 2.25x1.85 smd: 1(-2.3,0) 2(2.3,0)
  silkscreen extent -3.22,-1.3 2.8,1.3, body extent -2.8,-1.3 2.8,1.3, height 2.45
display [mm]
  Keep-Out Layer board cut-out: 23.1,21.15 28.7,21.15 28.7,-21.15 23.1,-21.15
  Keep-Out Layer lines w0.254: 28.392,-21.054 ccw(c28.392,-20.8) 28.646,-20.8 28.646,20.992 ccw(c28.392,20.992) 28.392,21.246 23.4,21.246 ccw(c23.4,20.992) 23.146,20.992 23.146,-20.8 ccw(c23.4,-20.8) 23.4,-21.054 28.392,-21.054
  body extent -30.57,-21.37 30.25,21.37, height 2.72
HANRUN_HR961160C [mm]
  rect 0.81x4.6 smd: P1(-6.61,-12.15) P2(-4.77,-12.15) P11(4.77,-12.15) P12(6.61,-12.15)
  rect 0.61x4.6 smd: P3(-3.57,-12.15) P4(-2.55,-12.15) P5(-1.53,-12.15) P6(-0.51,-12.15) P7(0.51,-12.15) P8(1.53,-12.15) P9(2.55,-12.15) P10(3.57,-12.15)
  rect 3x4.9 smd: SH1(-8.92,7.77) SH2(8.92,7.77)
  round 3 hole 3 unplated: ""(-6.35,7.77) ""(6.35,7.77)
  silkscreen extent -8.05,-15.49 8.05,13.05, body extent -9.57,-13.96 9.57,13.57, height 15.33
HRO_TYPE-C-31-M-12 [mm]
  rect 0.6x1.14 smd mask+0.05: A1_B12(-3.2,4.75) A4_B9(-2.4,4.75) B1_A12(3.2,4.75) B4_A9(2.4,4.75)
  rect 0.3x1.14 smd mask+0.05: A5(-1.25,4.75) A6(-0.25,4.75) A7(0.25,4.75) A8(1.25,4.75) B5(1.75,4.75) B6(0.75,4.75) B7(-0.75,4.75) B8(-1.75,4.75)
  oval 0.9x2 hole 0.6 slot 1.7 at 90 deg: S1(-4.325,4.17) S2(4.325,4.17)
  oval 0.9x1.7 hole 0.6 slot 1.4 at 90 deg: S3(-4.325,0) S4(4.325,0)
  round 0.6 hole 0.6 unplated: ""(-2.89,3.68) ""(2.89,3.68)
  silkscreen extent -4.47,-2.6 4.47,6.1, body extent -4.47,-2.6 4.47,5.31, height 3.31
IND_IHLP1212BZER2R2M11 [mm]
  rect 1.5x1.2 smd: 1(-1.35,0) 2(1.35,0)
  silkscreen extent -1.5,-1.5 1.5,1.5
LP2019ANL [mm]
  rect 0.76x1.65 smd: 1(-4.445,-4.265) 2(-3.175,-4.265) 3(-1.905,-4.265) 4(-0.635,-4.265) 5(0.635,-4.265) 6(1.905,-4.265) 7(3.175,-4.265) 8(4.445,-4.265) 9(4.445,4.265) 10(3.175,4.265) 11(1.905,4.265) 12(0.635,4.265) 13(-0.635,4.265) 14(-1.905,4.265) 15(-3.175,4.265) 16(-4.445,4.265)
  silkscreen extent -6.35,-5.7 6.35,3.57
MODULE_SC0195(9) [mil]
  rect 60x60 / inner round 60 / far side rect 60x60 hole 40 mask+4.02: 1(-1343.7,914.57)
  round 60 hole 40 mask+4.02: 2(-1343.7,1014.57) 3(-1243.7,914.57) 4(-1243.7,1014.57) 5(-1143.7,914.57) 6(-1143.7,1014.57) 7(-1043.7,914.57) 8(-1043.7,1014.57) 9(-943.7,914.57) 10(-943.7,1014.57) 11(-843.7,914.57) 12(-843.7,1014.57) 13(-743.7,914.57) 14(-743.7,1014.57) 15(-643.7,914.57) 16(-643.7,1014.57) 17(-543.7,914.57) 18(-543.7,1014.57) 19(-443.7,914.57) 20(-443.7,1014.57) 21(-343.7,914.57) 22(-343.7,1014.57) 23(-243.7,914.57) 24(-243.7,1014.57) 25(-143.7,914.57) 26(-143.7,1014.57) 27(-43.7,914.57) 28(-43.7,1014.57) 29(56.3,914.57) 30(56.3,1014.57) 31(156.3,914.57) 32(156.3,1014.57) 33(256.3,914.57) 34(256.3,1014.57) 35(356.3,914.57) 36(356.3,1014.57) 37(456.3,914.57) 38(456.3,1014.57) 39(556.3,914.57) 40(556.3,1014.57)
  round 244.09 hole 108.27 mask+4.02: S1(-1535.43,964.57) S2(748.03,964.57) S3(748.03,-964.57) S4(-1535.43,-964.57)
  silkscreen extent -1713,-1102 1673,1102, body extent -1673,-1181 1783,1102, height 689
QFP40P1600X1600X160-128N [mm]
  rect 1.475x0.2 smd: 1(-7.738,6.2) 2(-7.738,5.8) 3(-7.738,5.4) 4(-7.738,5) 5(-7.738,4.6) 6(-7.738,4.2) 7(-7.738,3.8) 8(-7.738,3.4) 9(-7.738,3) 10(-7.738,2.6) 11(-7.738,2.2) 12(-7.738,1.8) 13(-7.738,1.4) 14(-7.738,1) 15(-7.738,0.6) 16(-7.738,0.2) 17(-7.738,-0.2) 18(-7.738,-0.6) 19(-7.738,-1) 20(-7.738,-1.4) 21(-7.738,-1.8) 22(-7.738,-2.2) 23(-7.738,-2.6) 24(-7.738,-3) 25(-7.738,-3.4) 26(-7.738,-3.8) 27(-7.738,-4.2) 28(-7.738,-4.6) 29(-7.738,-5) 30(-7.738,-5.4) 31(-7.738,-5.8) 32(-7.738,-6.2) 65(7.738,-6.2) 66(7.738,-5.8) 67(7.738,-5.4) 68(7.738,-5) 69(7.738,-4.6) 70(7.738,-4.2) 71(7.738,-3.8) 72(7.738,-3.4) 73(7.738,-3) 74(7.738,-2.6) 75(7.738,-2.2) 76(7.738,-1.8) 77(7.738,-1.4) 78(7.738,-1) 79(7.738,-0.6) 80(7.738,-0.2) 81(7.738,0.2) 82(7.738,0.6) 83(7.738,1) 84(7.738,1.4) 85(7.738,1.8) 86(7.738,2.2) 87(7.738,2.6) 88(7.738,3) 89(7.738,3.4) 90(7.738,3.8) 91(7.738,4.2) 92(7.738,4.6) 93(7.738,5) 94(7.738,5.4) 95(7.738,5.8) 96(7.738,6.2)
  rect 0.2x1.475 smd: 33(-6.2,-7.738) 34(-5.8,-7.738) 35(-5.4,-7.738) 36(-5,-7.738) 37(-4.6,-7.738) 38(-4.2,-7.738) 39(-3.8,-7.738) 40(-3.4,-7.738) 41(-3,-7.738) 42(-2.6,-7.738) 43(-2.2,-7.738) 44(-1.8,-7.738) 45(-1.4,-7.738) 46(-1,-7.738) 47(-0.6,-7.738) 48(-0.2,-7.738) 49(0.2,-7.738) 50(0.6,-7.738) 51(1,-7.738) 52(1.4,-7.738) 53(1.8,-7.738) 54(2.2,-7.738) 55(2.6,-7.738) 56(3,-7.738) 57(3.4,-7.738) 58(3.8,-7.738) 59(4.2,-7.738) 60(4.6,-7.738) 61(5,-7.738) 62(5.4,-7.738) 63(5.8,-7.738) 64(6.2,-7.738) 97(6.2,7.738) 98(5.8,7.738) 99(5.4,7.738) 100(5,7.738) 101(4.6,7.738) 102(4.2,7.738) 103(3.8,7.738) 104(3.4,7.738) 105(3,7.738) 106(2.6,7.738) 107(2.2,7.738) 108(1.8,7.738) 109(1.4,7.738) 110(1,7.738) 111(0.6,7.738) 112(0.2,7.738) 113(-0.2,7.738) 114(-0.6,7.738) 115(-1,7.738) 116(-1.4,7.738) 117(-1.8,7.738) 118(-2.2,7.738) 119(-2.6,7.738) 120(-3,7.738) 121(-3.4,7.738) 122(-3.8,7.738) 123(-4.2,7.738) 124(-4.6,7.738) 125(-5,7.738) 126(-5.4,7.738) 127(-5.8,7.738) 128(-6.2,7.738)
  silkscreen extent -8.37,-6.65 6.65,6.9
QFP50P900X900X160-48N [mm]
  rect 1.56x0.28 smd: 1(-4.18,2.75) 2(-4.18,2.25) 3(-4.18,1.75) 4(-4.18,1.25) 5(-4.18,0.75) 6(-4.18,0.25) 7(-4.18,-0.25) 8(-4.18,-0.75) 9(-4.18,-1.25) 10(-4.18,-1.75) 11(-4.18,-2.25) 12(-4.18,-2.75) 25(4.18,-2.75) 26(4.18,-2.25) 27(4.18,-1.75) 28(4.18,-1.25) 29(4.18,-0.75) 30(4.18,-0.25) 31(4.18,0.25) 32(4.18,0.75) 33(4.18,1.25) 34(4.18,1.75) 35(4.18,2.25) 36(4.18,2.75)
  rect 0.28x1.56 smd: 13(-2.75,-4.18) 14(-2.25,-4.18) 15(-1.75,-4.18) 16(-1.25,-4.18) 17(-0.75,-4.18) 18(-0.25,-4.18) 19(0.25,-4.18) 20(0.75,-4.18) 21(1.25,-4.18) 22(1.75,-4.18) 23(2.25,-4.18) 24(2.75,-4.18) 37(2.75,4.18) 38(2.25,4.18) 39(1.75,4.18) 40(1.25,4.18) 41(0.75,4.18) 42(0.25,4.18) 43(-0.25,4.18) 44(-0.75,4.18) 45(-1.25,4.18) 46(-1.75,4.18) 47(-2.25,4.18) 48(-2.75,4.18)
  silkscreen extent -5.55,-3.55 3.55,3.55
RELAY_HF46F_005-HS1 [mm]
  rect 1.65x1.65 / inner round 1.65 / far side rect 1.65x1.65 hole 1.1: 1(-9.2,2.35)
  round 1.65 hole 1.1: 2(-9.2,-2.35) 3(2.3,-2.35) 4(9.3,-2.35)
  silkscreen extent -11.12,-3.5 10.25,3.5, body extent -10.25,-3.5 10.25,3.5, height 15.6
RESC1608X55N [mm]
  rect 0.9x0.95 smd: 1(-0.8,0) 2(0.8,0)
  silkscreen extent 0,-0.3 0,0.3, body extent -0.8,-0.4 0.8,0.4, height 0.55
RESC1608X55X25ML10T15 [mm]
  rect 0.8x1 smd: 1(-0.75,0) 2(0.75,0)
  body extent -0.85,-0.45 0.85,0.45, height 0.55
SHDRRA2W102P0X508_1X2_1198X1200X850P [mm]
  rect 2.475x2.475 hole 1.65: 1(0,0)
  round 2.475 hole 1.65: 2(-5.08,0)
  silkscreen extent -8.53,-2 3.7,10.25, body extent -3.17,-1.94 8.81,10.06, height 8.38
SM24CANB02HTG [mm]
  rect 0.78x0.78 smd: 1(-0.95,-1.145) 2(0.95,-1.145) 3(0,1.145)
  silkscreen extent -1.46,-2.1 1.46,0.65, body extent -1.46,-1.18 1.46,1.18, height 1.12
SOD3715X145N [mm]
  rect 1.21x0.73 smd: A(1.68,0) C(-1.68,0)
  silkscreen extent -3.1,-0.85 1.43,0.85, body extent -1.83,-0.77 1.83,0.77, height 0.8
SOIC127P600X175-8N [mm]
  rect 1.525x0.65 smd: 1(-2.712,1.905) 2(-2.712,0.635) 3(-2.712,-0.635) 4(-2.712,-1.905) 5(2.712,-1.905) 6(2.712,-0.635) 7(2.712,0.635) 8(2.712,1.905)
  silkscreen extent -3.47,-2.45 1.6,2.58, body extent -3,-2.45 3,2.45, height 1.75
SOP254P1016X460-4N [mm]
  rect 2.1x1.45 smd: 1(-4.55,1.27) 2(-4.55,-1.27) 3(4.55,-1.27) 4(4.55,1.27)
  silkscreen extent -5.6,-2.3 3.15,2.34, body extent -5.08,-2.3 5.08,2.3, height 3.85
SOT95P240X115-3N [mm]
  rect 1.1x1 smd: 1(-1.1,0.95) 2(-1.1,-0.95) 3(1.1,0)
  silkscreen extent -1.65,-1.45 0.2,1.7, body extent -1.2,-1.45 1.2,1.45, height 1.15
ST1S10PHR [mm]
  rect 0.9x0.51 smd: 1(-2.65,1.905) 2(-2.65,0.635) 3(-2.65,-0.635) 4(-2.65,-1.905) 5(2.65,-1.905) 6(2.65,-0.635) 7(2.65,0.635) 8(2.65,1.905)
  rect 2.6x3.5 smd: 9(0,0)
  silkscreen extent -3.47,-2.45 1.6,2.58, body extent -3.1,-2.5 3.1,2.5, height 1.7
SW_TS-1088-AR02016 [mm]
  rect 1.35x1.8 smd: 1(-2.075,0) 2(2.075,0)
  silkscreen extent -2,-1.45 2,1.45, body extent -2.4,-1.45 2.4,1.45, height 2
XCVR_ESP32-C6-WROOM-1-N8 [mm]
  rect 1.5x0.9 smd: 1(-8.75,5.26) 2(-8.75,3.99) 3(-8.75,2.72) 4(-8.75,1.45) 5(-8.75,0.18) 6(-8.75,-1.09) 7(-8.75,-2.36) 8(-8.75,-3.63) 9(-8.75,-4.9) 10(-8.75,-6.17) 11(-8.75,-7.44) 12(-8.75,-8.71) 13(-8.75,-9.98) 14(-8.75,-11.25) 15(8.75,-11.25) 16(8.75,-9.98) 17(8.75,-8.71) 18(8.75,-7.44) 19(8.75,-6.17) 20(8.75,-4.9) 21(8.75,-3.63) 22(8.75,-2.36) 23(8.75,-1.09) 24(8.75,0.18) 25(8.75,1.45) 26(8.75,2.72) 27(8.75,3.99) 28(8.75,5.26)
  rect 0.8x0.8 smd: 29_1(-2.755,0.79) 29_2(-1.505,0.79) 29_3(-0.255,0.79) 29_4(-2.755,-0.46) 29_5(-1.505,-0.46) 29_6(-0.255,-0.46) 29_7(-2.755,-1.71) 29_8(-1.505,-1.71) 29_9(-0.255,-1.71)
  round 0.65 hole 0.35 mask+0: 30_1(-2.13,0.79) 30_2(-0.88,0.79) 30_3(-2.755,0.165) 30_4(-1.505,0.165) 30_5(-0.255,0.165) 30_6(-2.13,-0.46) 30_7(-0.88,-0.46) 30_8(-2.755,-1.085) 30_9(-1.505,-1.085) 30_10(-0.255,-1.085) 30_11(-2.13,-1.71) 30_12(-0.88,-1.71)
  Keep-Out Layer region: 9.051,6.684 -8.949,6.684 -8.949,12.684 9.051,12.684
  silkscreen extent -10.1,-12.75 9,12.75, body extent -9,-12.75 9,12.75, height 3.25
XTAL_7M25000014 [mm]
  rect 1.2x1.4 smd: 1(-0.85,1.1) 2(-0.85,-1.1) 3(0.85,-1.1) 4(0.85,1.1)
  silkscreen extent -2.3,-0.08 1.25,1.2, body extent -1.25,-1.6 1.25,1.6, height 0.8
XTAL_ABM3B-25.000MHZ-22-E4H-T [mm]
  rect 1.2x1.8 smd: 1(-1.2,2) 2(-1.2,-2) 3(1.2,-2) 4(1.2,2)
  silkscreen extent -2.65,-2.5 1.6,2.5, body extent -2.5,-1.59 2.5,1.59, height 1.1